# Allegro board 600-90658-01_CYW9BTM2BASE1_REV4.0.brd (continued)
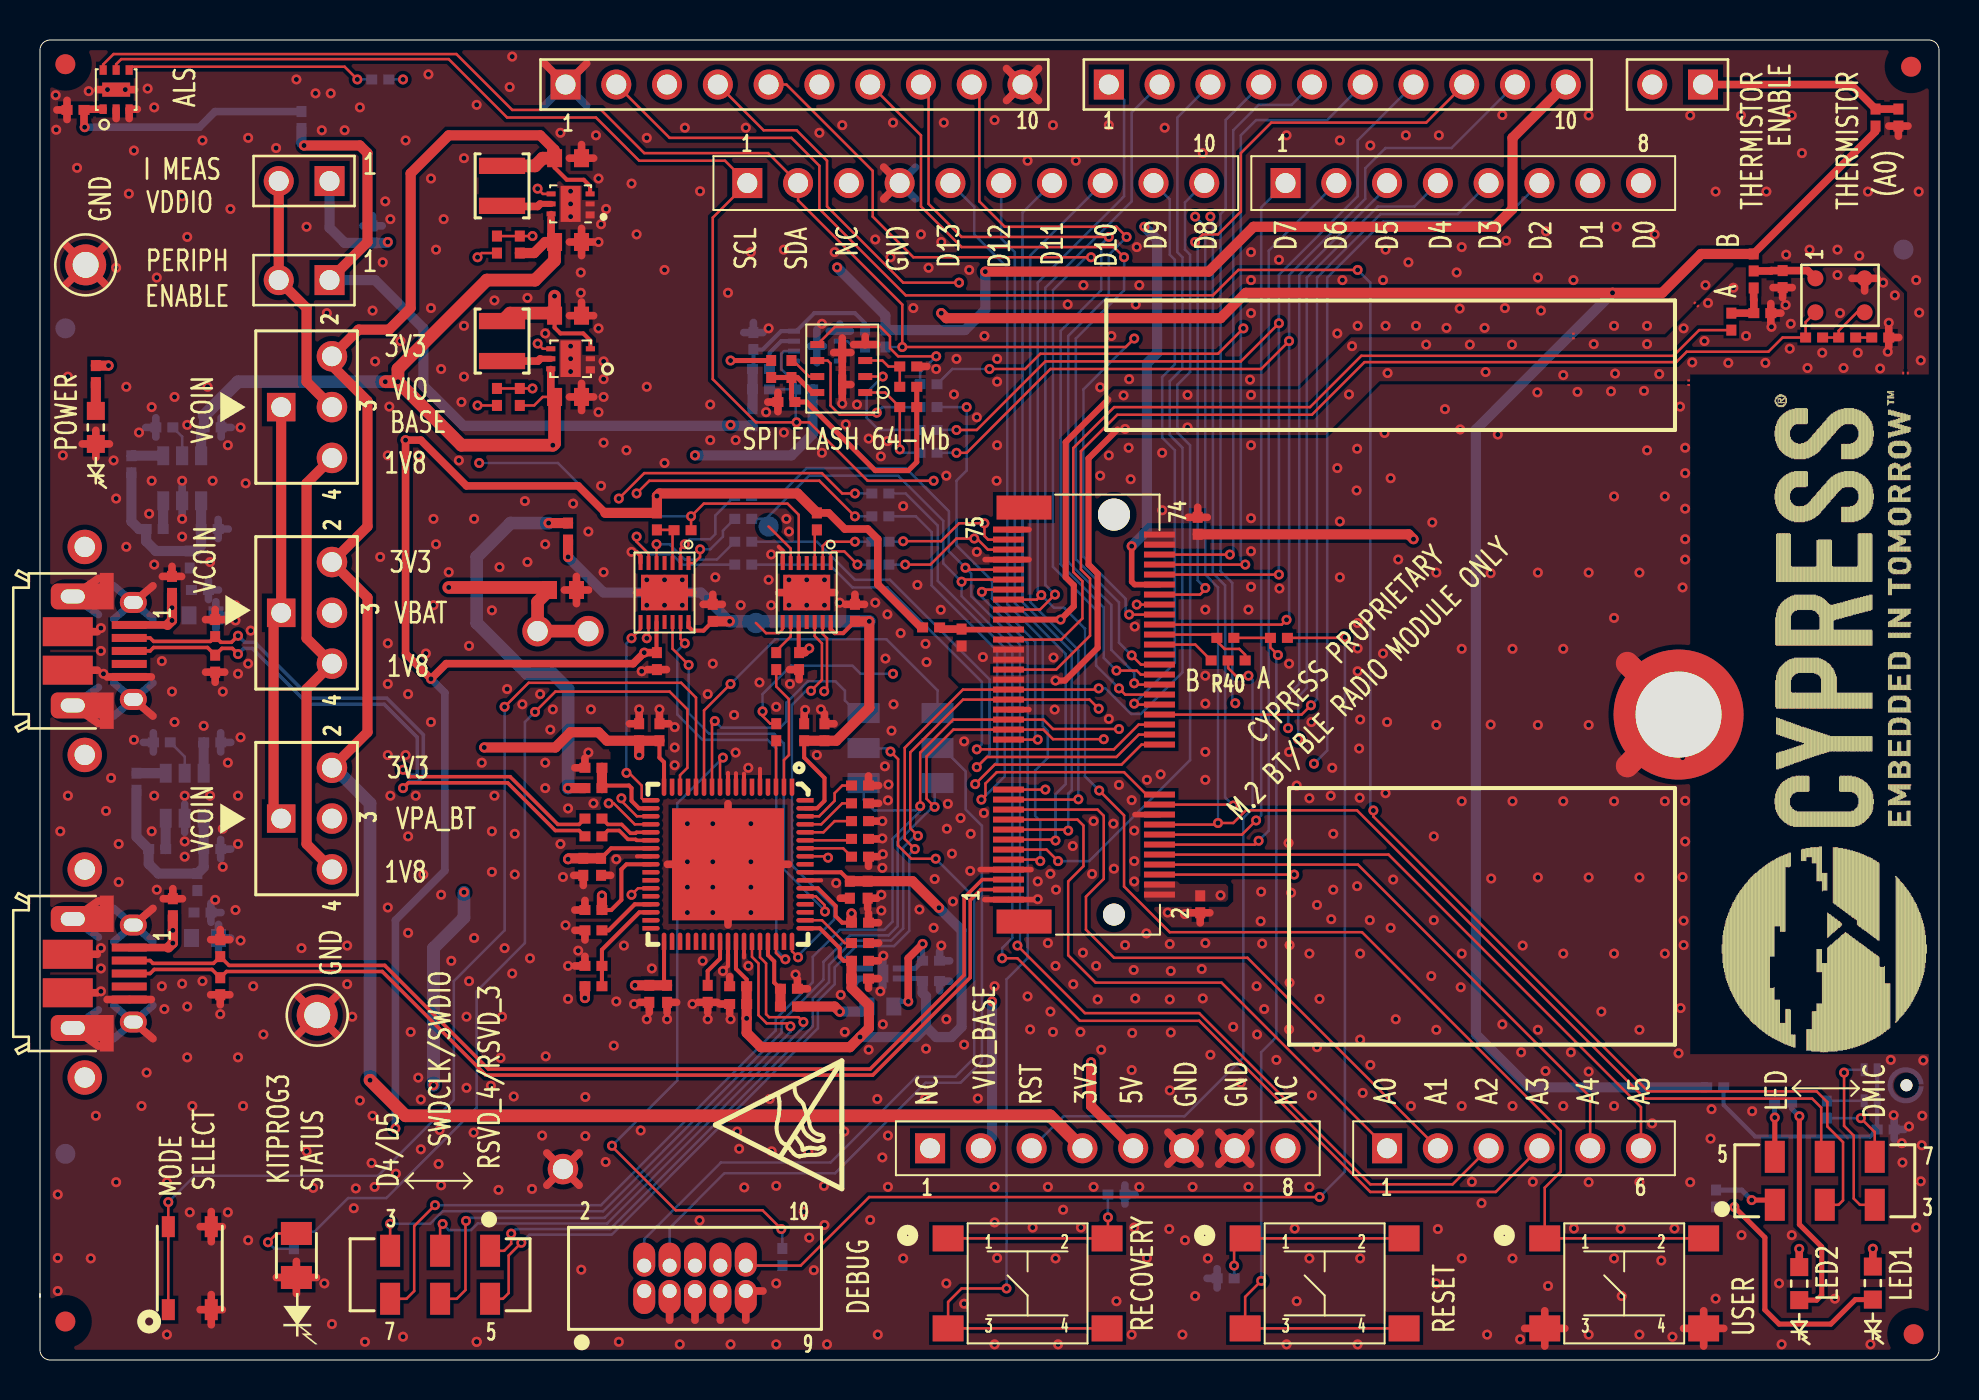
[diagram p0: board, top side]
## Routing (per net, layer and track width the routed paths; a pad name or vN(x,y) marks a point on that pad's centre or on a via; arc(x,y) is an arc through that point) (continued)
VDDIO: length 65
  TOP w0.279: v1(54.61,40.69) 54.61,38.91 54.75,38.77 J100.64
  L03_PWR w0.508: v1(17.4,55.9) 17.78,56.28 22.73,56.28 23.88,55.14 30.23,55.14 32.13,57.04 54.86,57.04 v1(55.24,56.66)
  BOTTOM w0.508: v1(54.61,40.69) 55.37,41.45 55.37,49.83 55.88,50.34 55.88,56.03 v1(55.24,56.66) ; J17.1 14.48,56.61 15.24,55.86 C1.1 17.36,55.86 v1(17.4,55.9)
VDDP: length 159.4
  TOP w0.254: R88.2 v1(34.54,49.97)
  TOP w0.381: TH2.1 91.82,61.42 85.72,55.33 R11.B
  TOP w0.508: v1(13.21,60.73) 16,60.73 16.38,60.34 16.38,55.89 J19.1 ; v1(45.09,52.34) 45.34,52.09 59.05,52.09 60.33,53.36 v1(78.66,53.36) 81.15,53.36 83.1,55.3 R11.B
  L03_PWR w0.508: v1(45.09,52.34) 44.07,53.36 36.2,53.36 34.54,51.71 v1(34.54,49.97) v1(34.54,46.76)
  BOTTOM w0.508: v1(13.21,60.73) 13.08,60.85 R22.2 ; R20.2 34.59,46.71 v1(34.54,46.76) 34.5,46.71 21.18,46.71 19.18,48.71 19.18,51.58 16.76,53.99 J19.1 ; v1(78.66,53.36) 71.83,46.53 71.83,16.28 74.47,13.63 R28.2
VDDUSB: length 112.1
  TOP w0.127: C19.1 25.15,48.15 24.72,47.73 R42.1
  TOP w0.305: 25.57,57.08 U4.6 ; 25.55,49.45 U5.6
  TOP w0.381: C15.1 25.57,56.07 25.57,57.08 ; C19.1 25.55,48.34 25.55,49.45
  TOP w0.508: R31.1 v1(25.44,41.85) ; J1.5 52.58,12.69 v1(52.58,14.88) ; R93.1 24.72,55.35 25.27,55.9 C15.1 ; R51.1 v1(26.42,28.59)
  TOP w0.635: C15.1 25.74,54.97 24.77,53.99 22.35,53.99 17.91,49.55 v1(17.91,48.91) ; v1(17.91,48.91) v1(17.27,48.91) ; v1(17.91,48.91) 21.08,45.74 v1(25.65,45.74) 25.74,45.83 C19.1
  L03_PWR w0.508: v1(52.58,14.88) 28.58,14.88 25.34,18.12 25.34,27.52 v1(26.42,28.59) ; v1(25.65,45.74) 25.44,45.53 v1(25.44,41.85)
  BOTTOM w0.508: U6.6 8.06,46.48 C55.1 8.21,47.22
  BOTTOM w0.635: v1(25.44,41.85) 23.54,41.85 21.84,40.15 21.84,36.85 24.38,34.31 25.65,34.31 26.42,33.55 v1(26.42,28.59) ; 8.21,47.22 9.91,48.91 v1(17.27,48.91) v1(17.91,48.91)
ARD_A0_THERMISTOR: length 90.2
  TOP w0.127: J100.17 51.9,27.02 52.2,26.72 52.2,24.69 51.44,23.93 51.44,20.24 52.81,18.87 59.11,18.87 J2.1
  L03_PWR w0.127: J18.2 81.79,62.64 81.79,58.11 70.48,46.81 70.48,13.69 J2.1
ARD_A1: length 33.1
  TOP w0.127: J100.19 52.9,27.52 53.21,27.21 53.21,24.06 52.32,23.17 52.32,21.52 53.73,20.11 60.4,20.11 J2.2
ARD_A2: length 66
  TOP w0.127: J2.3 70.66,8.78 66.55,8.78 57.99,17.34 52.27,17.34 v1(48.89,20.72) ; J100.67 46.38,39.52 v1(46.29,39.61)
  BOTTOM w0.127: v1(48.89,20.72) 49.02,20.85 49.02,35.76 46.58,38.2 46.58,39.32 v1(46.29,39.61) 45.47,40.44 45.47,42.44 43.31,44.6 38.35,44.6 36.96,43.2 R76.2
ARD_A3: length 69.9
  TOP w0.127: v1(48.13,20.09) 48.89,20.09 52.02,16.96 57.99,16.96 66.55,8.4 72.82,8.4 J2.4 ; v1(46.1,38.91) 46.21,39.02 J100.65
  BOTTOM w0.127: v1(48.13,20.09) 48.13,20.59 48.64,21.1 48.64,35.66 46.1,38.2 v1(46.1,38.91) 45.19,39.83 45.19,41.96 42.93,44.22 38.48,44.22 36.32,42.06 R75.2
ARD_A4: length 28.9
  TOP w0.127: J100.8 65.93,24.77 77.55,13.15 J2.5
ARD_A5: length 31.4
  TOP w0.127: J100.10 67.46,25.27 80.09,12.64 J2.6
ARD_D0: length 49.7
  TOP w0.127: J100.73 47.42,41.02 47.24,41.2 v1(47.24,41.84) 45.97,41.84 45.08,40.94 v1(43.18,40.94)
  L03_PWR w0.127: v1(47.24,41.84) 47.24,46.12 48.26,47.14 68.71,47.14 80.09,58.52 J4.8
  BOTTOM w0.127: v1(43.18,40.94) 43.15,40.91 R78.2
ARD_D1: length 48.5
  TOP w0.127: J100.71 47.42,40.52 46.86,41.07 v1(46.74,41.07) 45.85,41.07 44.54,39.77 v1(43.28,39.77)
  L03_PWR w0.127: v1(46.74,41.07) 46.74,46.12 48.13,47.52 67.28,47.52 77.55,57.78 J4.7
  BOTTOM w0.127: R77.2 v1(43.28,39.77)
ARD_D2: length 53.3
  TOP w0.127: J100.23 v1(50.29,28.52)
  L03_PWR w0.127: v1(50.29,28.52) 50.29,29 51.1,29.81 v1(63.73,29.81)
  BOTTOM w0.127: J4.6 73.08,56.92 67.18,56.92 64.39,54.12 64.39,30.47 v1(63.73,29.81)
ARD_D3: length 39.8
  TOP w0.127: v1(63.58,32.74) 63.11,32.27 J100.38
  BOTTOM w0.127: v1(63.58,32.74) 63.88,33.04 63.88,54.12 67.06,57.3 70.92,57.3 J4.5
ARD_D4_SWDCLK: length 95.6
  TOP w0.127: v1(53.21,31.04) 50.67,31.04 50.19,31.52 J100.35 45.69,31.52 44.35,30.18 44.35,28.06 v1(44.75,27.66) ; SW8.3 v1(17.52,6.81)
  L03_PWR w0.127: v1(62.94,31.04) v1(53.21,31.04)
  BOTTOM w0.127: v1(17.52,6.81) 19.52,6.81 20.14,7.44 28.17,7.44 37.1,16.36 37.1,16.92 39.19,19.02 39.19,19.91 40.51,21.23 42.44,21.23 42.9,21.69 42.9,25.9 44.65,27.66 v1(44.75,27.66) 44.75,28.7 SW15.4 ; J4.4 68.76,57.68 66.93,57.68 63.37,54.12 63.37,33.6 62.94,33.17 v1(62.94,31.04)
ARD_D5_SWDIO: length 97.7
  TOP w0.127: v1(53.98,31.55) 50.67,31.55 50.2,32.02 J100.37 45.68,32.02 44.03,30.37 v1(44.03,27.69) ; v1(19.76,7.74) 18.72,6.7 18.72,3.45 18.33,3.06 SW8.7
  L03_PWR w0.127: v1(53.98,31.55) 54.19,31.34 62.18,31.34 v1(62.43,31.59)
  BOTTOM w0.127: v1(62.43,31.59) 62.43,33.24 62.99,33.8 62.99,54.25 67.39,58.64 J4.3 ; v1(19.76,7.74) 28.07,7.74 36.8,16.48 36.8,17.04 38.66,18.89 38.66,20.16 40,21.51 42.24,21.51 42.65,21.91 42.65,26.05 44.03,27.44 v1(44.03,27.69) 43.81,27.48 41.73,27.48 41.2,28.01 SW15.1
ARD_D6: length 39.5
  TOP w0.127: J100.12 60.77,25.77 v1(60.96,25.96)
  BOTTOM w0.127: v1(60.96,25.96) 61.47,26.47 61.47,55.47 J4.2
ARD_D7: length 37.6
  TOP w0.127: J100.14 60.13,26.27 v1(60.83,26.98)
  BOTTOM w0.127: J4.1 61.09,57.63 61.09,27.23 v1(60.83,26.98)
ARD_D8: length 41.3
  TOP w0.127: J100.11 50.35,25.52 v1(50.93,24.94)
  BOTTOM w0.127: v1(50.93,24.94) 52.48,24.94 57.53,29.99 57.53,45.74 56.9,46.37 56.9,48.76 57.53,49.4 57.53,55.26 57.28,55.52 57.28,57.88 J3.10
ARD_D9: length 29.1
  TOP w0.127: J100.40 54.78,32.77 v1(54.74,32.82)
  BOTTOM w0.127: v1(54.74,32.82) 56.77,34.85 56.77,45.49 56.13,46.12 56.13,49.14 56.77,49.78 56.77,55.01 56.52,55.26 56.52,58.03 J3.9
ARD_D10: length 36.8
  TOP w0.127: v1(51.94,28.04) 51.93,28.02 J100.21
  BOTTOM w0.127: v1(51.94,28.04) 51.94,35.5 49.53,37.92 49.53,55.21 J3.8
ARD_D11: length 37.1
  TOP w0.127: J100.15 51.38,26.52 v1(51.44,26.47)
  BOTTOM w0.127: v1(51.44,26.47) 51.44,28.32 51.61,28.49 51.61,35.43 49.15,37.89 49.15,57.37 J3.7
ARD_D12: length 36.8
  TOP w0.127: v1(50.8,25.97) 50.75,26.02 J100.13
  BOTTOM w0.127: v1(50.8,25.97) 50.8,28.29 51.31,28.8 51.31,35.3 48.77,37.84 48.77,55.39 48.08,56.08 J3.6
ARD_D13: length 37.9
  TOP w0.127: J100.9 49.96,25.02 v1(50.04,24.94)
  BOTTOM w0.127: J3.5 46.74,57.65 46.74,56.28 48.39,54.63 48.39,37.79 50.16,36.01 50.16,31.69 50.42,31.44 50.42,30.12 49.78,29.48 49.78,27.2 50.04,26.94 v1(50.04,24.94)
ARD_RST_L: length 2.9
  TOP w0.127: J100.52 57.79,35.77 R40.B
BT_RST_L: length 5.1
  TOP w0.127: J100.54 58.71,36.27 R95.2 58.87,35.94 59.26,35.55 59.99,35.55 60.29,35.26 R40.A
BT_UART_CTS_L: length 27.1
  TOP w0.127: J100.36 54.96,31.77 53.72,30.53 v1(46.86,30.53)
  BOTTOM w0.127: R74.2 39.5,39.77 40.64,38.63 42.39,38.63 47.12,33.9 47.12,30.79 v1(46.86,30.53)
BT_UART_RTS_L: length 29.2
  TOP w0.127: J100.34 54.97,31.27 53.85,30.15 47.37,30.15 v1(46.86,29.64)
  BOTTOM w0.127: R73.2 38.86,40.91 40.77,39.01 42.52,39.01 47.5,34.03 47.5,30.28 v1(46.86,29.64)
BT_UART_RX: length 26.9
  TOP w0.127: v1(46.78,28.79) 47.76,29.77 54.1,29.77 55.1,30.77 J100.32
  BOTTOM w0.127: v1(46.78,28.79) 47.88,29.89 47.88,35.45 44.6,38.73 44.6,41.4 43.82,42.18 R72.2
BT_UART_TX: length 29
  TOP w0.127: v1(47.09,28.02) 47.29,28.22 47.29,28.82 47.86,29.39 54.23,29.39 55.35,28.27 J100.22
  BOTTOM w0.127: v1(47.09,28.02) 48.26,29.19 48.26,35.61 44.91,38.96 44.91,41.73 43.31,43.33 R71.2
BT_USB_DN: length 52.7
  TOP w0.178: J100.5 47.14,24.02 46.23,23.11 46.23,19.25 41.53,14.55 22.43,14.55 17.25,19.73 9.46,19.73 D11.2 8.68,19.83 5.65,19.83 5.51,19.97 J21.2
BT_USB_DP: length 52.6
  TOP w0.178: J100.3 47.07,23.52 46.53,22.99 46.53,19.12 41.66,14.24 22.3,14.24 17.12,19.43 9.33,19.43 D12.2 8.6,19.53 5.71,19.53 5.51,19.32 J21.3
COEX1: length 42
  TOP w0.127: J11.7 44.07,61.23 44.07,57.68 46.1,55.65 53.72,55.65 v1(54.23,55.14) ; J100.48 55.07,34.77 v1(54.61,35.23)
  BOTTOM w0.127: v1(54.23,55.14) 54.23,53.49 51.82,51.07 51.82,40.04 53.98,37.88 53.98,35.87 v1(54.61,35.23)
COEX2: length 41.9
  TOP w0.127: J100.46 55.06,34.27 54.86,34.47 v1(53.85,34.47) ; v1(53.47,56.15) 46.1,56.15 44.45,57.8 44.45,63.39 44.07,63.77
  BOTTOM w0.127: v1(53.85,34.47) 53.21,35.1 53.21,37.63 51.05,39.79 51.05,51.45 53.09,53.49 53.09,55.77 v1(53.47,56.15)
COEX3: length 40.3
  TOP w0.127: J11.9 46.99,63.39 46.99,57.93 48.26,56.66 53.85,56.66 v1(54.36,56.15) ; J100.44 54.8,33.77 v1(54.74,33.83)
  BOTTOM w0.127: v1(54.74,33.83) 54.74,34.36 53.59,35.5 53.59,37.75 51.44,39.91 51.44,51.2 53.47,53.23 53.47,55.26 v1(54.36,56.15)
CS_L: length 5.2
  TOP w0.127: v1(43.01,45.53) R85.2 42.28,48.37 U11.1
  BOTTOM w0.127: R37.1 43.18,45.36 v1(43.01,45.53)
DMIC_CLK: length 8.7
  TOP w0.127: v1(90.25,14.37) 90.25,11.7 90.73,11.22 90.73,8.07 91.04,7.76 SW4.3
  BOTTOM w0.127: v1(90.25,14.37) 90.39,14.51 U13.3
DMIC_DATA: length 3.9
  TOP w0.127: SW4.7 91.78,11.4 v1(91.08,12.09)
  BOTTOM w0.127: v1(91.08,12.09) R12.2
HW_ID_0: length 2.5
  TOP w0.127: U12.62 40.18,25.58 R36.2
HW_ID_1: length 2.4
  TOP w0.127: R57.2 40.52,25.98 U12.63
HW_ID_2: length 2.6
  TOP w0.127: U12.64 39.19,26.39 39.75,26.94 R58.2
HW_ID_3: length 2.8
  TOP w0.127: U12.65 39.08,26.78 40.13,27.83 R59.2
HW_ID_4: length 3.2
  TOP w0.127: U12.66 38.98,27.19 39.75,27.96 39.75,28.34 40.13,28.72 R41.2
KP3_SWDCLK: length 19.2
  TOP w0.127: v1(34.54,33.8) 33.22,32.48 U12.12
  BOTTOM w0.127: v1(34.54,33.8) 36.78,36.04 42.34,36.04 44.9,33.48 SW15.6
KP3_SWDIO: length 13.4
  TOP w0.127: U12.11 33.62,31.81 v1(33.76,31.95)
  BOTTOM w0.127: v1(33.76,31.95) 34.09,31.62 37.03,31.62 37.34,31.92 37.34,32.86 38.4,33.93 39.8,33.93 40.26,33.47 40.26,32.98 40.9,32.34 SW15.3
KP3_XRST_L: length 34.5
  TOP w0.127: U12.10 34.02,29.97 v1(34.16,30.12) ; v1(28.61,10.71) 28.61,10.68 31.8,7.49 36.14,7.49 v1(37.08,6.55)
  BOTTOM w0.127: R29.2 37.13,6.5 v1(37.08,6.55) ; v1(34.16,30.12) 31.88,27.83 31.88,13.98 v1(28.61,10.71)
LED1_L: length 118.4
  TOP w0.127: v1(66.7,27.48) 66.7,27.17 80.44,13.43 88.87,13.43 89.41,12.9 89.41,11.68 90.2,10.89 90.2,7.98 89.97,7.76 SW4.2 ; J11.2 31.5,61.11 37.59,61.11 38.99,59.71 38.99,57.55 43.31,53.23 58.67,53.23 59.94,54.5 v1(65.91,54.5) ; v1(62.74,24.27) J100.6
  L03_PWR w0.127: v1(62.74,24.27) 62.74,25.29 64.92,27.48 v1(66.7,27.48)
  BOTTOM w0.127: v1(65.91,54.5) 66.55,53.87 66.55,27.63 v1(66.7,27.48)
LED2_L: length 103
  TOP w0.127: J100.16 58.85,26.77 v1(58.93,26.85) 59.69,26.85 60.33,27.48 65.88,27.48 80.29,13.07 88.65,13.07 89.1,12.62 89.1,10.29 89.23,10.16 SW4.6
  L03_PWR w0.127: J11.3 34.29,60.85 55.63,60.85 56.77,59.71 56.77,58.19 v1(57.79,57.17)
  BOTTOM w0.127: v1(58.93,26.85) 58.93,38.63 58.29,39.26 58.29,56.66 v1(57.79,57.17)
LED_YELLOW: length 45.2
  TOP w0.127: v1(24.77,32.4) 25.78,33.42 31.5,33.42 32.38,32.53 32.38,29.61 32.02,29.24 U12.15
  BOTTOM w0.127: R9.1 13.73,6.41 15.42,8.1 17.32,8.1 21.84,12.62 21.84,18.43 24.26,20.85 24.26,31.9 v1(24.77,32.4)
M_VDD: length 3.3
  TOP w0.381: MIC1.1 88.43,54.47 C6.1 86.61,54.47 86.59,54.45 R11.C
MIC_AVDD: length 3.5
  TOP w0.279: C2.1 46.13,36.52 J100.55
  TOP w0.381: C2.1 45.09,36.55 R6.1
MIC_BIAS: length 48.2
  TOP w0.127: R10.1 83,51.49 81.71,50.21 66.1,50.21 63.53,47.64 53.74,47.64 51.69,45.6 51.69,39.4 52.15,38.94 52.15,37.08 51.09,36.02 J100.53
MIC_P: length 54.3
  TOP w0.127: J100.47 50.83,34.52 52.53,36.21 52.53,39.07 52.07,39.52 52.07,45.44 53.89,47.26 63.63,47.26 66.26,49.89 81.85,49.89 82.37,50.41 86.46,50.41 87.17,51.12 R15.1 88.32,51.89 MIC1.4
P5LP_SIO_VREF: length 3.5
  TOP w0.203: U12.48 36.42,20.25 36.73,19.93 36.73,18.87 R49.2
  TOP w0.508: R49.2 R53.2
P5LP_USB_DM: length 30.9
  TOP w0.178: J6.2 5.51,36.1 5.68,35.93 8.52,35.93 D8.2 9.05,35.88 9.58,35.88 v1(9.91,36.21) ; v1(18.16,28.59) 18.43,28.86 23.39,28.86 25.78,26.47 26.97,26.47 R7.1
  BOTTOM w0.178: v1(18.16,28.59) 18.49,28.93 18.92,28.93 19.18,29.18 19.18,31.26 17.35,33.09 13.54,33.09 10.74,35.88 10.24,35.88 v1(9.91,36.21)
P5LP_USB_DP: length 29.9
  TOP w0.178: v1(9.91,35.3) 9.62,35.58 9.1,35.58 D9.2 8.38,35.63 5.68,35.63 5.51,35.45 J6.3 ; R47.1 26.97,26.78 25.91,26.78 23.52,29.17 18.51,29.17 v1(18.16,29.51)
  BOTTOM w0.178: v1(9.91,35.3) 10.19,35.58 10.62,35.58 13.41,32.79 17.22,32.79 18.87,31.13 18.87,29.31 18.8,29.23 18.44,29.23 v1(18.16,29.51)
P5LP_VCCA: length 2.5
  TOP w0.203: U12.42 34.02,20.07 33.4,19.45 C43.1
P5LP_VCCD: length 23.1
  TOP w0.203: C41.1 28.58,22.5 29.08,23.01 29.08,24.53 29.34,24.78 U12.26 ; U12.57 38.92,23.59 39.8,22.7 39.8,22.19 40.13,21.86 C42.1
  TOP w0.508: C41.1 v1(28.11,23.22) ; C42.1 v1(40.6,22.33)
  L03_PWR w0.635: v1(28.11,23.22) 29.97,21.36 35.86,21.36 37.64,23.13 39.79,23.13 v1(40.6,22.33)
P5LP_VDD: length 131.3
  TOP w0.203: C45.1 40.18,36.34 39.75,36.34 39.55,36.54 U8.14 ; U12.24 28.57,25.58 C39.1 ; C37.1 30.99,30.12 31.22,29.89 U12.17 ; U7.14 32.44,36.67 32.64,36.47 33.19,36.47 C48.1 ; U12.44 34.82,19.56 35.35,19.03 C35.1 ; U12.59 40.07,24.39 C29.1 ; U12.35 31.22,18.89 C33.1 ; C40.1 38.23,30.12 39.24,29.1 39.24,27.96 38.87,27.58 U12.67 ; C31.1 40.21,19.96 40,20.16 40,20.59 39.01,21.58 U12.52
  TOP w0.508: C45.1 v1(41.49,36.93) 41.49,32.61 39.83,30.96 C14.1 C40.1 ; R31.2 v1(26.42,40.15) ; v1(44.97,22.61) 43.64,23.94 C27.1 C29.1 ; v1(29.97,30.25) C36.1 ; C36.1 C37.1 ; C36.1 28.36,30.96 27.94,31.39 26.54,31.39 25.78,30.63 v1(22.23,30.63) ; v1(29.76,18.73) C32.1 C33.1 ; C39.1 C38.1 26.46,25.08 v1(26.42,25.04) ; C31.1 C30.1 40.6,18.61 41.47,17.74 41.47,16.59 v1(41.02,16.15) 40.51,15.64 36.07,15.64 35.35,16.36 v1(35.35,17.08) C34.1 C35.1 ; C48.1 v1(34.5,36.93)
  L03_PWR w0.508: v1(29.97,30.25) 30.35,29.86 30.35,26.82 29.72,26.18 27.56,26.18 v1(26.42,25.04) 27.05,24.4 27.05,21.44 v1(29.76,18.73) 29.93,18.56 34.29,18.56 35.35,17.5 v1(35.35,17.08) ; v1(26.42,40.15) 22.23,35.96 v1(22.23,30.63)
  BOTTOM w0.254: C46.1 44.02,19.07 U9.4
  BOTTOM w0.508: 44.32,16.66 44.83,16.15 45.59,16.15 46.1,16.66 46.1,21.48 v1(44.97,22.61) ; 44.32,16.66 43.81,16.15 v1(41.02,16.15) ; 44.32,16.66 44.32,18.18 44.15,18.35 C46.1 ; v1(34.5,36.93) 33.06,38.37 28.19,38.37 v1(26.42,40.15)
  BOTTOM w0.635: v1(34.5,36.93) v1(41.49,36.93)
RECOVERY: length 50.1
  TOP w0.127: v1(48.35,3.58) 46.1,3.58 45.43,2.9 SW1.3 SW1.4 ; J100.63 47.23,38.52 v1(47.12,38.41)
  BOTTOM w0.127: v1(48.35,3.58) 48.35,19.03 49.4,20.09 49.4,35.87 47.12,38.15 v1(47.12,38.41)
REG_EN: length 6.3
  TOP w0.127: R97.1 36.83,33.67 37.47,33.04 37.47,30.25 37.22,30 U12.2
REG_EN_LVL: length 33
  TOP w0.127: R99.1 v1(21.89,47.73) ; U8.5 37.95,42.26 37.4,42.82 33.2,42.82 v1(32.57,42.18) R96.1 ; R98.1 22.1,55.35 v1(21.89,55.14)
  L03_PWR w0.127: v1(21.89,55.14) v1(21.89,47.73) 21.89,44.93 v1(21.97,44.85)
  BOTTOM w0.127: v1(32.57,42.18) 28.57,42.18 25.91,44.85 v1(21.97,44.85)
RESET_BTN: length 75.8
  TOP w0.127: v1(61.09,3.96) 60.29,3.16 SW2.3 SW2.4 ; v1(61.93,35.25) 61.55,35.62 R1.2 R95.1 ; v1(36.14,32.43) 36.14,32.2 36.53,31.81 R45.2
  L03_PWR w0.127: v1(42.67,34.31) 43.92,33.07 51.18,33.07 54.31,36.19 60.99,36.19 v1(61.93,35.25)
  BOTTOM w0.127: v1(42.67,34.31) 41.05,34.31 40.64,34.72 37.57,34.72 36.14,33.29 v1(36.14,32.43) ; v1(61.93,35.25) 61.85,35.17 61.85,16.15 61.09,15.39 v1(61.09,3.96)
RSVD_1_USER_BTN: length 86.6
  TOP w0.127: v1(52.99,28.47) 54.23,27.23 54.23,23.67 56.52,21.39 66.13,21.39 76.07,11.45 76.07,9.42 75.27,8.62 SW3.1 SW3.2 ; v1(50.09,38.25) 49.86,38.02 J100.61
  BOTTOM w0.127: J12.1 54.23,63.01 54.23,58.19 49.91,53.87 49.91,38.42 v1(50.09,38.25) 50.72,37.61 51.23,37.61 52.27,36.57 52.27,29.19 v1(52.99,28.47)
RSVD_2: length 30.7
  TOP w0.127: v1(50.77,38.27) 50.02,37.52 J100.59
  BOTTOM w0.127: J12.2 54.61,62.38 54.61,57.93 50.29,53.61 50.29,38.75 v1(50.77,38.27)
RSVD_3: length 87.7
  TOP w0.127: v1(52.96,33.58) 52.9,33.52 J100.43 46.17,33.52 43.26,30.61 43.26,26.05 v1(43.76,25.55) ; v1(24.08,5.86) 23.44,5.23 23.44,3.35 23.16,3.06 SW8.5
  BOTTOM w0.127: v1(52.96,33.58) 53.31,33.58 54.58,32.3 55.07,32.3 57.15,34.39 57.15,45.61 56.52,46.25 56.52,48.94 57.15,49.58 57.15,55.14 56.9,55.39 56.9,62.12 J12.3 ; v1(24.08,5.86) 24.49,6.27 28.6,6.27 38.91,16.58 38.91,17.95 39.75,18.79 39.75,19.63 40.82,20.7 42.72,20.7 43.48,21.46 43.48,25.27 v1(43.76,25.55)
RSVD_4: length 88.6
  TOP w0.127: v1(52.96,32.56) 52.5,33.02 J100.41 46.18,33.02 43.54,30.38 43.54,26.59 v1(43.92,26.21) ; SW8.1 23.22,5.46 23.57,5.81 v1(23.57,6.32)
  L03_PWR w0.127: v1(52.96,32.56) 53.81,32.56 54.46,31.92 58.88,31.92 v1(59.79,32.84)
  BOTTOM w0.127: v1(43.92,26.21) 43.76,26.21 43.18,25.62 43.18,21.58 42.57,20.97 40.69,20.97 39.47,19.76 39.47,18.89 38.66,18.08 38.66,16.69 28.52,6.55 23.8,6.55 v1(23.57,6.32) ; 61.09,63.77 59.31,62 59.31,57.55 59.05,57.3 59.05,39.44 59.64,38.86 59.64,32.99 v1(59.79,32.84)
RSVD_5: length 29.7
  TOP w0.127: v1(59.52,40.27) J100.70
  BOTTOM w0.127: v1(59.52,40.27) 59.69,40.44 59.69,61.49 60.96,62.76 62.61,62.76 J12.5
RSVD_6: length 49.6
  TOP w0.127: v1(60.2,51.58) 58.93,50.31 50.04,50.31 49.28,49.55 v1(47.5,49.55) ; v1(60.29,39.77) J100.68
  BOTTOM w0.127: v1(60.29,39.77) 60.07,39.99 60.07,51.45 v1(60.2,51.58) 60.07,51.71 60.07,61.23 60.83,62 64.39,62 66.17,63.77 ; v1(47.5,49.55) 45.64,49.55 R34.2
RSVD_7: length 52.6
  TOP w0.127: v1(61.98,39.27) J100.66 ; v1(45.85,46.5) 46.86,46.5 50.29,49.93 60.07,49.93 v1(61.98,51.84)
  BOTTOM w0.127: J12.7 65.91,60.98 65.91,58.19 61.98,54.25 v1(61.98,51.84) v1(61.98,39.27) ; R30.2 v1(45.85,46.5)
RSVD_8: length 83.1
  TOP w0.127: J12.8 69.34,61.87 61.59,61.87 60.07,60.34 60.07,57.42 58.93,56.28 58.17,56.28 v1(57.79,55.9) ; v1(58.29,38.6) 58.29,38.53 58.03,38.27 J100.62
  L03_PWR w0.127: v1(18.16,64.03) 21.72,60.47 54.23,60.47 54.48,60.22 54.48,58.57 57.15,55.9 v1(57.79,55.9)
  BOTTOM w0.127: v1(57.79,55.9) 57.91,55.77 57.91,38.98 v1(58.29,38.6) ; R26.2 v1(18.16,64.03)
RSVD_9: length 59.8
  TOP w0.127: v1(62.48,50.95) 61.09,49.55 50.55,49.55 46.36,45.36 v1(45.85,45.36) ; J100.56 62.12,36.77 v1(62.36,37.01)
  BOTTOM w0.127: v1(62.36,37.01) 62.48,37.14 v1(62.48,50.95) 62.48,54.25 66.29,58.06 66.29,59.58 67.31,60.6 70.61,60.6 J12.9 ; R37.2 v1(45.85,45.36)
RSVD_10: length 45.3
  TOP w0.127: v1(45.97,53.87) 43.18,53.87 39.37,57.68 39.37,59.96 37.85,61.49 36.2,61.49 J11.4 ; J100.33 v1(49.91,31.02)
  L03_PWR w0.127: v1(46.36,47.64) 46.36,53.49 v1(45.97,53.87)
  BOTTOM w0.127: R33.2 v1(46.36,47.64) 46.36,44.47 45.85,43.96 45.85,40.74 47.62,38.96 47.62,38.07 49.78,35.91 49.78,31.15 v1(49.91,31.02)
RSVD_11: length 47.1
  TOP w0.127: J100.42 54.28,33.27 v1(53.98,33.58) ; v1(52.58,55.14) 43.69,55.14 41.66,57.17 41.66,59.46 37.34,63.77 J11.5
  BOTTOM w0.127: v1(53.98,33.58) 52.83,34.72 52.83,37.5 50.67,39.66 50.67,53.49 52.32,55.14 v1(52.58,55.14)
RSVD_12: length 56.7
  TOP w0.127: J100.20 59.64,27.77 v1(59.69,27.72)
  L03_PWR w0.127: J11.6 41.53,61.23 55.75,61.23 57.15,59.84 57.15,58.57 v1(58.55,57.17)
  BOTTOM w0.127: v1(58.55,57.17) 58.67,57.04 58.67,39.34 59.28,38.73 59.28,28.13 v1(59.69,27.72)